# Altium PCB Bottom Board_PCB.PcbDoc (part 2 of 3)
Units mm, origin at the board's own origin, x right, y up, seen from the top; angles counter-clockwise.
Board outline 139 x 80 mm, 4 copper layers (Top Layer, GND, VCC, Bottom Layer), stack 1.623 mm thick; 134 components, 163 nets, 746 pads, 269 vias.
Unrouted connection lines stored in the file: 127.
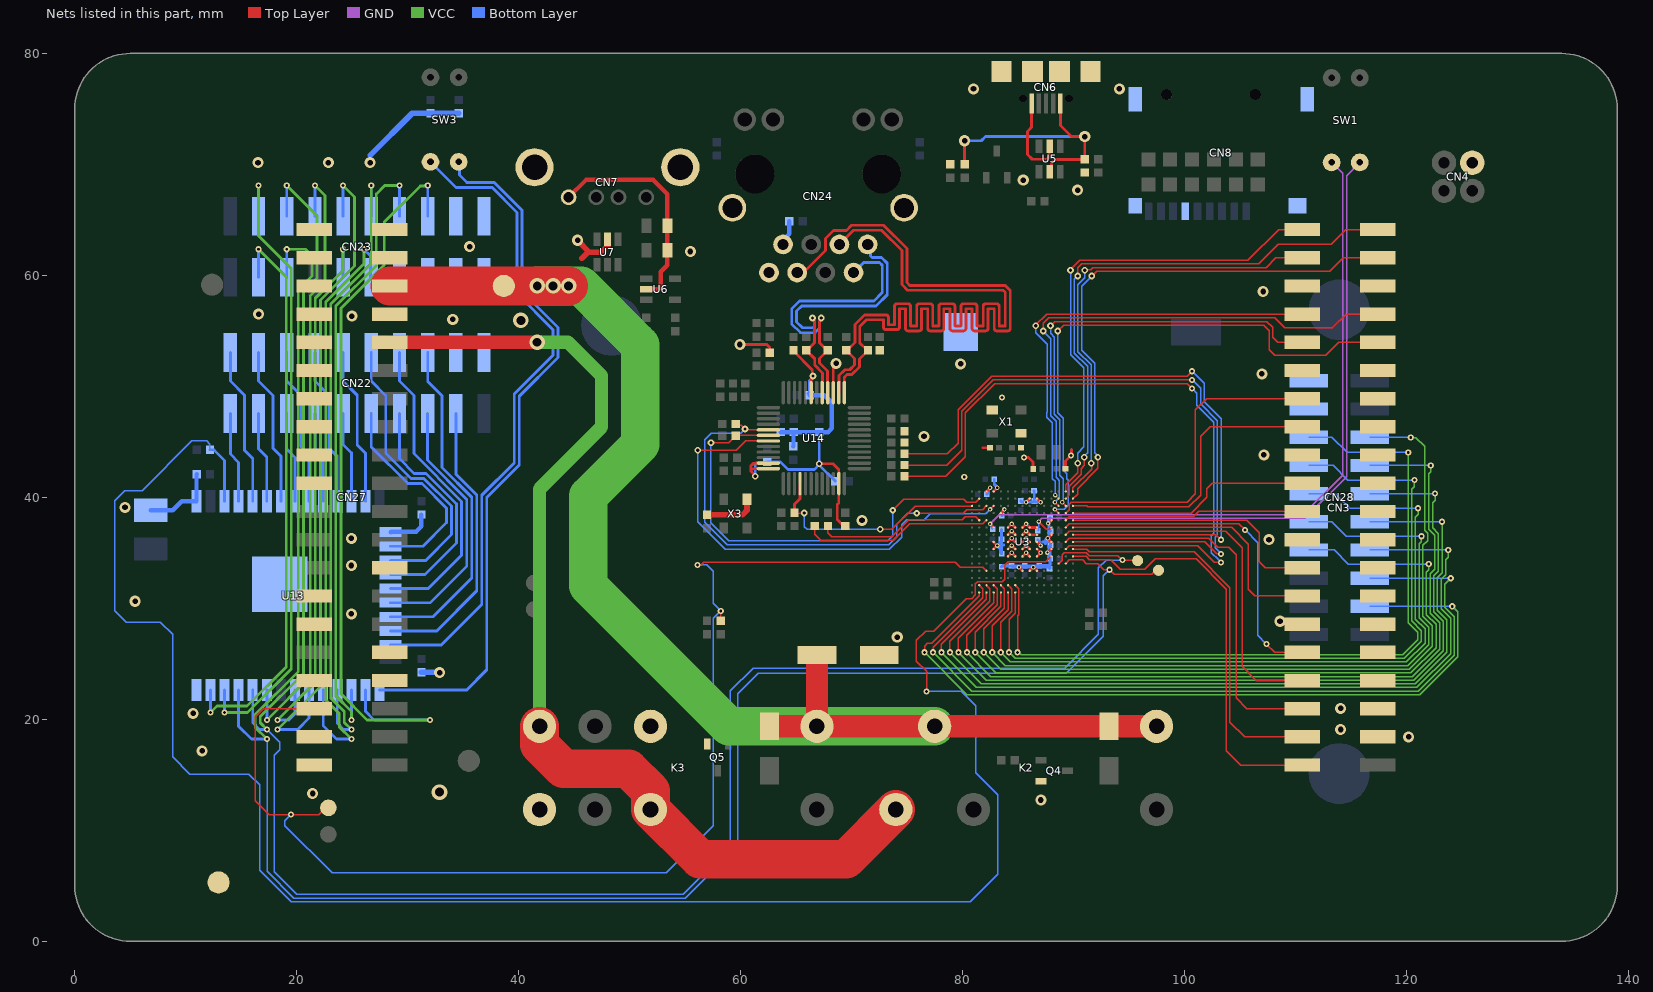
[diagram p4: the nets of this part, all layers, seen from the top]

## Via types
v1: diameter 0.559, hole 0.254, Top Layer to Bottom Layer, tented both sides, 104 vias
v2: diameter 0.6, hole 0.3, Top Layer to Bottom Layer, tented both sides, 55 vias
v3: diameter 1, hole 0.5, Top Layer to Bottom Layer, tented both sides, 50 vias
v4: diameter 0.406, hole 0.203, Top Layer to Bottom Layer, tented both sides, 48 vias
v5: diameter 1.4, hole 0.8, Top Layer to Bottom Layer, tented both sides, 12 vias

## Nets (pads, with @x,y where several pads share a name; then routed paths per layer and width w, separated by ;. In a path a pad name is that pad's centre, name@x,y a point inside that pad or via, vN(x,y) a via of type N, cw(c..) or ccw(c..) an arc to the next point about the centre after c; other vN are vias at no path point) (continued)
+5V0_USBFS: CN6.1 R21.2 R23.2 U5.5 | length 23.7
  Top Layer w0.254: R21.2@80.188,70.002 v3(80.188,72.136) ; U5.5@87.847,69.339 88.02,69.512 88.02,70.113 88.341,70.434 90.992,70.434 R23.2@91.018,70.46 v3(91.018,72.507) 89.823,72.507 88.822,73.509 CN6.1@88.822,75.484
  Bottom Layer w0.254: v3(80.188,72.136) 81.686,72.136 82.058,72.507 v3(91.018,72.507)
+12V0: C73.1 CN27.37 CN27.38 CN27.39 CN27.40 D4.2 D5.2 K2.1 K2.4 K3.1 TP9.1 | length 127.7
  Top Layer w2: D5.2@62.967,19.368 K3.1@66.881,19.368 ; 66.89,24.892 66.89,19.376 K3.1@66.881,19.368 ; K2.1@97.49,19.368 D4.2@93.193,19.368 K2.4@77.49,19.368 K3.1@66.881,19.368
  Top Layer w3.5: CN27.38@28.4,59.05 v5(43.104,59.05) v5(44.506,59.05)
  VCC w3.5: v5(41.681,59.055) 43.104,59.055 45.618,59.055 50.952,53.721 50.952,44.78 46.279,40.107 46.279,32.029 58.94,19.368 K3.1@66.881,19.368 K2.4@77.49,19.368
+12V_CMD_BOT: CN27.36 K2.3 K3.4 K3.7 | length 95.1
  Top Layer w1.2: CN27.36@28.4,53.97 v5(41.656,53.97)
  Top Layer w3.5: K3.4@41.881,19.368 41.881,17.707 44.044,15.545 49.886,15.545 51.881,13.549 K3.7@51.881,11.868 56.358,7.391 69.514,7.391 K2.3@73.99,11.868
  VCC w1.2: v5(41.656,53.97) 44.45,53.97 47.466,50.954 47.466,46.336 41.881,40.752 K3.4@41.881,19.368
ALERT0_TMP275_BOT: CN28.40 U3.B2 | length 50.7
  Top Layer w0.127: U3.B2@89.306,39.881 89.635,40.21 89.635,41.014 90.7,42.079 90.7,42.593 90.983,42.875 v2(90.983,43.612) ; v2(90.373,59.944) 90.373,60.681 90.722,61.03 106.674,61.03 108.458,62.814 113.208,62.814 114.524,64.13 CN28.40@117.4,64.13
  Bottom Layer w0.127: v2(90.373,59.944) 90.373,59.939 90.068,59.634 90.068,52.994 91.265,51.797 91.265,44.022 90.983,43.74 v2(90.983,43.612)
ALERT1_TMP275_BOT: CN28.39 U3.A2 | length 48.4
  Top Layer w0.127: U3.A2@89.956,39.881 90.373,40.298 90.373,40.792 92.202,42.621 v2(92.202,43.612) ; v2(91.643,59.944) 92.075,60.376 113.081,60.376 114.295,61.59 CN28.39@117.4,61.59
  Bottom Layer w0.127: v2(91.643,59.944) 91.643,59.919 90.726,59.001 90.726,53.261 91.919,52.067 91.919,44.022 92.202,43.74 v2(92.202,43.612)
ALERT2_TMP275_BOT: CN28.2 U3.A1 | length 41.1
  Top Layer w0.127: U3.A1@89.956,40.531 89.956,40.849 91.633,42.526 v2@91.633,43.042 ; v2@91.262,60.503 91.542,60.503 91.742,60.703 107.363,60.703 108.25,61.59 CN28.2@110.6,61.59
  Bottom Layer w0.127: v2(91.018,60.452) 91.018,59.776 90.399,59.157 90.399,53.126 91.592,51.932 v2(91.592,43.083)
ALERT3_TMP275_BOT: CN28.1 U3.B1 | length 43.5
  Top Layer w0.127: U3.B1@89.306,40.531 89.306,41.147 90.373,42.215 v2(90.373,43.083) ; v2@89.689,60.501 90.545,61.357 105.705,61.357 108.478,64.13 CN28.1@110.6,64.13
  Bottom Layer w0.127: v2(89.738,60.452) 89.738,52.857 90.938,51.657 90.938,44.558 90.373,43.993 v2(90.373,43.083)
ALERT4_TMP275_BOT: CN28.5 U3.B3 | length 41
  Top Layer w0.127: v2(87.935,55.448) 88.319,55.832 107.439,55.832 107.95,55.321 107.95,54.407 108.387,53.97 CN28.5@110.6,53.97 ; v4(88.981,39.556) U3.B3@89.306,39.231
  Bottom Layer w0.127: v2(87.935,55.448) 87.935,54.766 88.268,54.432 88.268,47.48 88.756,46.992 88.756,41.986 89.061,41.682 89.061,41.575 89.081,41.554 89.081,41.326 ; v4(88.981,39.556) 89.078,39.653 89.078,41.326
ALERT5_TMP275_BOT: CN28.4 U3.C2 | length 40.9
  Top Layer w0.127: v2@86.576,55.486 87.6,56.51 CN28.4@110.6,56.51 ; v4(88.346,40.203) U3.C2@88.671,39.878
  Bottom Layer w0.127: v2(86.614,55.448) 86.614,54.813 87.614,53.813 87.614,47.676 87.605,47.666 87.605,47.219 88.097,46.727 88.097,41.679 88.348,41.427 88.348,40.205 v4(88.346,40.203)
ALERT6_TMP275_BOT: CN28.36 U3.C4 | length 49.5
  Top Layer w0.127: v4(88.331,38.906) U3.C4@88.656,38.581 ; v2(88.595,54.991) 89.11,55.505 107.134,55.505 107.62,55.02 107.62,53.315 108.128,52.807 112.751,52.807 113.914,53.97 CN28.36@117.4,53.97
  Bottom Layer w0.127: v4(88.331,38.906) 89.172,38.906 89.535,39.268 89.535,41.529 89.408,41.656 89.408,42.141 89.083,42.466 89.083,47.127 88.595,47.615 v2(88.595,54.991)
ALERT7_TMP275_BOT: CN28.37 U3.C3 | length 48.6
  Top Layer w0.127: v2(87.274,54.991) 87.274,55.702 87.755,56.183 108.13,56.183 109.042,55.27 113.335,55.27 114.574,56.51 CN28.37@117.4,56.51 ; v4(88.331,39.556) U3.C3@88.656,39.231
  Bottom Layer w0.127: v2(87.274,54.991) 87.274,54.964 87.941,54.297 87.941,47.344 88.429,46.856 88.429,41.808 88.675,41.563 88.675,41.537 88.734,41.478 88.734,39.959 v4(88.331,39.556)
BOOT0: R10.1 SW1.4 U3.D6 | length 60.6
  Top Layer w0.127: v4(86.868,37.821) 86.868,37.795 87.554,37.109 87.833,37.109 88.004,37.281 U3.D6@88.006,37.281
  GND w0.127: v4(86.868,37.821) 87.157,38.109 110.855,38.109 114.605,41.859 114.605,68.986 SW1.4@115.799,70.18
  Bottom Layer w0.127: R10.1@86.777,36.981 86.868,37.071 v4(86.868,37.821)
BOOT1: R7.1 SW1.3 U3.M6 | length 63.5
  Top Layer w0.127: v4(82.481,37.606) U3.M6@82.806,37.281
  GND w0.127: v4(82.481,37.606) 83.311,38.436 110.679,38.436 114.249,42.006 114.249,69.19 SW1.3@113.259,70.18
  Bottom Layer w0.127: v4(82.481,37.606) R7.1@82.891,37.196 ; R7.1@82.523,37.298 R7.1@82.713,37.108
BTN-1_BOT: CN28.20 U3.A10 | length 37.8
  Top Layer w0.127: U3.A10@89.956,34.681 91.138,34.681 91.427,34.392 93.345,34.392 94.234,33.503 96.418,33.503 97.358,34.442 101.061,34.442 103.769,31.735 103.769,17.161 105.059,15.87 CN28.20@110.6,15.87
BTN-2_BOT: CN28.19 U3.A9 | length 34.8
  Top Layer w0.127: U3.A9@89.956,35.331 91.187,35.331 91.44,35.077 100.889,35.077 104.096,31.871 104.096,19.729 105.415,18.41 CN28.19@110.6,18.41
BTN-3_BOT: CN28.18 U3.B8 | length 35.3
  Top Layer w0.127: U3.B8@89.306,35.981 89.631,36.306 102.2,36.306 103.022,35.484 103.988,35.484 104.648,34.823 104.648,21.92 105.618,20.95 CN28.18@110.6,20.95
BTN-4_BOT: CN28.17 U3.B7 | length 33.3
  Top Layer w0.127: U3.B7@89.306,36.631 89.632,36.957 103.708,36.957 105.207,35.458 105.207,24.765 106.482,23.49 CN28.17@110.6,23.49
BTN-5_BOT: CN28.16 U3.B6 | length 31.1
  Top Layer w0.127: U3.B6@89.306,37.281 89.631,37.606 104.914,37.606 v1(105.461,37.059) ; v1(107.391,26.772) 108.133,26.03 CN28.16@110.6,26.03
  Bottom Layer w0.127: v1(105.461,37.059) 106.604,35.916 106.604,27.559 v1(107.391,26.772)
DISP_A0_BOT: CN28.8 U3.A3 | length 26.8
  Top Layer w0.127: U3.A3@89.956,39.231 91.193,39.231 91.282,39.141 100.406,39.141 101.473,40.208 101.473,45.491 102.332,46.35 CN28.8@110.6,46.35
DISP_CS_BOT: CN28.11 U3.B5 | length 21.6
  Top Layer w0.127: U3.B5@89.306,37.931 89.627,38.252 100.813,38.252 101.29,38.73 CN28.11@110.6,38.73
DISP_LEDA_BOT: CN28.7 U3.B4 | length 30.3
  Top Layer w0.127: U3.B4@89.306,38.581 89.626,38.901 89.626,39.395 89.787,39.556 100.236,39.556 100.99,40.31 100.99,47.879 102.001,48.89 CN28.7@110.6,48.89
DISP_RST_BOT: CN28.10 U3.A4 | length 22.2
  Top Layer w0.127: U3.A4@89.956,38.581 89.96,38.585 100.612,38.585 102.032,40.005 102.032,40.787 102.514,41.27 CN28.10@110.6,41.27
DISP_SCLK_BOT: CN28.14 U3.A6 | length 25.6
  Top Layer w0.127: U3.A6@89.956,37.281 104.273,37.281 105.769,35.785 105.769,31.696 106.355,31.11 CN28.14@110.6,31.11
DISP_SID_BOT: CN28.13 U3.A5 | length 23.9
  Top Layer w0.127: U3.A5@89.956,37.931 105.605,37.931 106.731,36.805 106.731,34.188 107.269,33.65 CN28.13@110.6,33.65
ESP32_CLK: CN22.13 U13.20 | length 23.4
  Bottom Layer w0.254: U13.20@28.465,30.506 32.041,30.506 35.316,33.78 35.316,39.825 31.775,43.365 CN22.13@31.775,47.542
ESP32_CMD: CN22.7 U13.19 | length 28.2
  Bottom Layer w0.254: U13.19@28.465,31.776 31.852,31.776 34.862,34.785 34.862,39.637 30.556,43.942 30.556,49.174 29.261,50.47 CN22.7@29.261,53.042
ESP32_EN: R58.2 U3.D10 U13.3 | length 171.8
  Top Layer w0.127: v1(76.759,22.504) 76.759,24.333 75.844,25.248 75.844,27.102 76.683,27.94 77.419,27.94 80.34,30.861 80.823,30.861 81.166,31.205 81.166,32.221 81.356,32.41 83.596,32.41 83.795,32.609 83.795,33.872 84.111,34.188 87.513,34.188 U3.D10@88.006,34.681
  Bottom Layer w0.127: R58.2@12.182,44.279 12.182,44.79 11.887,45.085 10.559,45.085 6.074,40.6 4.5,40.6 3.6,39.7 3.6,29.776 4.623,28.753 7.722,28.753 8.814,27.661 8.814,16.612 10.363,15.062 15.697,15.062 16.662,14.097 16.662,6.401 19.507,3.556 80.696,3.556 83.16,6.02 83.16,13.183 81.178,15.164 81.178,21.209 79.883,22.504 v1(76.759,22.504)
  Bottom Layer w0.254: R58.2@12.182,44.279 12.541,44.279 13.495,43.324 U13.3@13.495,39.646
ESP32_GPIO0: SW3.4 U13.25 | length 64
  Bottom Layer w0.254: U13.25@27.465,22.646 35.32,22.646 37.132,24.457 37.132,39.995 40.054,42.917 40.054,49.112 43.558,52.616 43.558,55.294 40.31,58.542 40.31,65.869 37.802,68.377 35.331,68.377 34.658,69.05 34.658,70.168 SW3.4@34.595,70.231
ESP32_GPIO4: CN23.8 U13.26 | length 69.2
  VCC w0.254: v1(31.801,68.097) 31.75,68.047 31.14,68.047 27.889,64.795 27.889,60.95 23.978,57.039 23.978,22.55 23.978,22.301 26.34,19.939 v1(32.004,19.939)
  Bottom Layer w0.254: U13.26@26.195,22.646 26.195,20.718 26.975,19.939 v1(32.004,19.939) ; CN23.8@31.801,65.329 v1(31.801,68.097)
ESP32_GPIO5: CN23.15 U13.29 | length 55.6
  VCC w0.254: v1(24.925,18.212) 23.834,19.303 23.834,20.519 22.616,21.737 22.616,57.603 26.06,61.047 v1(26.06,62.357)
  Bottom Layer w0.254: U13.29@22.385,22.646 22.385,19.423 23.597,18.212 v1(24.925,18.212) ; v1(26.06,62.357) 26.645,61.773 26.645,59.905 CN23.15@26.721,59.829
ESP32_GPIO13: CN22.15 U13.16 | length 19.3
  Bottom Layer w0.254: CN22.15@26.721,47.542 26.721,44.526 30.014,41.233 31.284,41.233 33.5,39.017 33.5,37.716 31.369,35.586 U13.16@28.465,35.586
ESP32_GPIO14: CN22.5 U13.13 | length 14.2
  Bottom Layer w0.254: CN22.5@24.181,53.042 24.181,50.47 25.451,49.2 25.451,44.718 26.195,43.973 U13.13@26.195,39.646
ESP32_GPIO15: SW3.3 U13.23 | length 58.7
  Bottom Layer w0.254: U13.23@28.465,26.696 33.02,26.696 36.678,30.353 36.678,40.183 39.6,43.105 39.6,49.3 43.104,52.804 43.104,55.106 39.856,58.354 39.856,65.681 37.617,67.92 34.366,67.92 SW3.3@32.055,70.231
ESP32_GPIO16: CN23.7 U13.27 | length 57.4
  VCC w0.254: v1(24.925,19.939) 24.925,20.711 23.524,22.113 23.524,22.738 23.524,57.227 27.175,60.878 27.175,67.335 27.937,68.097 v1(29.261,68.097)
  Bottom Layer w0.254: v1(24.925,19.939) U13.27@24.925,22.646 ; CN23.7@29.261,65.329 v1(29.261,68.097)
ESP32_GPIO17: CN23.6 U13.28 | length 58.6
  VCC w0.254: v1(24.925,19.075) 24.288,19.713 24.288,20.707 23.07,21.925 23.07,22.926 23.07,57.415 26.721,61.066 v1(26.721,68.097)
  Bottom Layer w0.254: U13.28@23.655,22.646 23.655,19.652 24.232,19.075 v1(24.925,19.075) ; CN23.6@26.721,65.329 v1(26.721,68.097)
ESP32_GPIO18: CN23.5 U13.30 | length 60.9
  VCC w0.254: v1(18.263,19.075) 22.149,22.962 22.149,57.778 25.222,60.851 25.222,67.056 v1(24.181,68.097)
  Bottom Layer w0.254: v1(18.263,19.075) 20.091,19.075 21.115,20.099 U13.30@21.115,22.646 ; CN23.5@24.181,65.329 v1(24.181,68.097)
ESP32_GPIO19: CN23.16 U13.31 | length 51.4
  VCC w0.254: v1(18.263,19.939) 21.666,23.343 21.666,57.937 24.181,60.452 v1(24.181,62.357)
  Bottom Layer w0.254: v1(18.263,19.939) 19.304,19.939 19.845,20.48 U13.31@19.845,22.646 ; CN23.16@24.181,59.829 v1(24.181,62.357)
ESP32_GPIO21: CN23.4 U13.33 | length 56.2
  VCC w0.254: v1(17.323,19.939) 21.212,23.828 21.212,58.144 22.555,59.487 22.555,67.183 v1(21.641,68.097)
  Bottom Layer w0.254: U13.33@17.305,22.646 17.323,22.628 v1(17.323,19.939) ; CN23.4@21.641,65.329 v1(21.641,68.097)
ESP32_GPIO22: CN23.2 U13.36 | length 57.2
  VCC w0.254: v1(13.495,20.599) 15.57,20.599 19.507,24.536 19.507,60.63 16.561,63.576 v1(16.561,68.097)
  Bottom Layer w0.254: v1(13.495,20.599) 13.495,22.63 13.487,22.638 U13.36@13.495,22.646 ; CN23.2@16.561,65.329 v1(16.561,68.097)
ESP32_GPIO23: CN23.19 U13.37 | length 51.8
  VCC w0.254: v1(12.225,20.599) 12.832,21.206 15.535,21.206 19.053,24.724 19.053,59.865 v1(16.561,62.357)
  Bottom Layer w0.254: v1(12.225,20.599) U13.37@12.225,22.646 ; CN23.19@16.561,59.829 v1(16.561,62.357)
ESP32_GPIO25: CN22.17 U13.10 | length 8.2
  Bottom Layer w0.254: CN22.17@21.641,47.542 21.641,44.425 22.385,43.68 U13.10@22.385,39.646
ESP32_GPIO26: CN22.4 U13.11 | length 14.2
  Bottom Layer w0.254: CN22.4@21.641,53.042 21.641,50.47 22.911,49.2 22.911,44.45 23.655,43.705 U13.11@23.655,39.646
ESP32_GPIO27: CN22.16 U13.12 | length 8.2
  Bottom Layer w0.254: CN22.16@24.181,47.542 24.181,44.755 24.925,44.01 U13.12@24.925,39.646
ESP32_GPIO32: CN22.18 U13.8 | length 8.2
  Bottom Layer w0.254: CN22.18@19.101,47.542 19.101,44.339 19.845,43.594 U13.8@19.845,39.646
ESP32_GPIO33: CN22.3 U13.9 | length 14.2
  Bottom Layer w0.254: CN22.3@19.101,53.042 19.101,50.47 20.371,49.2 20.371,44.577 21.115,43.832 U13.9@21.115,39.646
ESP32_GPIO34: CN22.19 U13.6 | length 8.2
  Bottom Layer w0.254: CN22.19@16.561,47.542 16.561,44.374 17.305,43.629 U13.6@17.305,39.646
ESP32_GPIO35: CN22.2 U13.7 | length 14.2
  Bottom Layer w0.254: CN22.2@16.561,53.042 16.561,50.47 17.856,49.174 17.856,44.425 18.575,43.705 U13.7@18.575,39.646
ESP32_RXD0: CN23.3 TP5.1 U3.C11 U13.34 | length 182.9
  Top Layer w0.127: U3.C11@88.656,34.031 88.976,34.351 88.976,34.823 89.159,35.006 91.162,35.006 91.421,34.747 94.005,34.747 v1(94.412,34.341) 94.437,34.315 95.758,34.315 TP5.1@95.783,34.29
  VCC w0.254: v1(17.323,19.075) 16.716,19.682 16.716,20.247 20.599,24.13 20.599,58.522 21.819,59.741 21.819,65.38 v1(19.101,68.097)
  Bottom Layer w0.127: v1(17.323,19.075) 18.466,17.932 18.466,17.272 17.958,16.764 17.958,6.248 19.996,4.21 54.832,4.21 59.08,8.458 59.08,22.555 61.14,24.615 89.207,24.615 92.253,27.661 92.253,33.653 92.94,34.341 v1(94.412,34.341)
  Bottom Layer w0.254: U13.34@16.035,22.646 16.035,19.702 16.662,19.075 v1(17.323,19.075) ; CN23.3@19.101,65.329 v1(19.101,68.097)
ESP32_SD0: CN22.8 U13.21 | length 30.7
  Bottom Layer w0.254: U13.21@28.465,29.236 32.284,29.236 35.77,32.722 35.77,40.013 33.096,42.686 33.096,49.16 31.801,50.455 CN22.8@31.801,53.042
ESP32_SD1: CN22.12 U13.22 | length 26
  Bottom Layer w0.254: U13.22@28.465,27.966 32.614,27.966 36.224,31.575 36.224,40.201 34.341,42.084 CN22.12@34.341,47.542
ESP32_SD2: CN22.6 U13.17 | length 26.5
  Bottom Layer w0.254: CN22.6@26.721,53.042 26.721,50.48 28.016,49.185 28.016,43.993 30.302,41.707 31.452,41.707 33.954,39.205 33.954,36.646 31.623,34.316 U13.17@28.465,34.316
ESP32_SD3: CN22.14 U13.18 | length 21.5
  Bottom Layer w0.254: U13.18@28.465,33.046 31.572,33.046 34.408,35.881 34.408,39.413 31.66,42.161 30.585,42.161 29.261,43.485 CN22.14@29.261,47.542
ESP32_SENSVN: CN22.1 U13.5 | length 14.2
  Bottom Layer w0.254: CN22.1@14.021,53.042 14.021,50.47 15.291,49.2 15.291,44.247 16.035,43.502 U13.5@16.035,39.646
ESP32_SENSVP: CN22.20 U13.4 | length 8.2
  Bottom Layer w0.254: CN22.20@14.021,47.542 14.021,43.891 14.765,43.147 U13.4@14.765,39.646
ESP32_TXD0: CN23.18 TP6.1 U3.B11 U13.35 | length 178.9
  Top Layer w0.127: U3.B11@89.306,34.031 89.631,34.356 90.815,34.356 91.135,34.036 92.177,34.036 92.735,33.477 v1(93.243,33.477) 93.665,33.056 97.057,33.056 97.428,33.426 TP6.1@97.663,33.426
  VCC w0.254: v1(17.323,18.212) 16.262,19.272 16.262,20.435 20.145,24.318 20.145,58.728 21.365,59.947 21.365,61.77 20.777,62.357 v1(19.101,62.357)
  Bottom Layer w0.127: v1(17.323,18.212) 17.323,6.299 19.739,3.883 55.013,3.883 59.741,8.611 59.741,22.3 61.571,24.13 89.343,24.13 92.685,27.471 92.685,32.918 v1(93.243,33.477)
  Bottom Layer w0.254: U13.35@14.765,22.646 14.765,19.372 15.926,18.212 v1(17.323,18.212) ; CN23.18@19.101,59.829 v1(19.101,62.357)
ETH_CRS_DV: R73.2 U3.R3 U14.40 | length 21
  Top Layer w0.127: R73.2@64.852,38.617 64.888,38.581 v2(65.735,38.581) ; v2(72.593,37.109) 73.635,37.109 75.742,39.217 80.842,39.217 U3.R3@80.856,39.231
  Top Layer w0.254: R73.2@64.852,38.617 64.846,38.623 64.846,39.378 65.346,39.877 65.346,41.224 U14.40@65.354,41.233
  Bottom Layer w0.127: v2(65.735,38.581) 65.735,37.363 65.989,37.109 v2(72.593,37.109)
ETH_MDC: U3.M3 U14.31 | length 43.1
  Top Layer w0.127: v2(56.134,44.247) 59.614,44.247 60.45,45.083 U14.31@62.504,45.083 ; v4(82.481,38.906) U3.M3@82.806,39.231
  Bottom Layer w0.127: v2(56.134,44.247) 56.134,37.817 58.62,35.331 73.152,35.331 73.416,35.331 74.503,36.418 74.503,37.541 74.961,37.998 76.556,37.998 77.076,38.519 82.094,38.519 v4(82.481,38.906)
ETH_MDIO: R64.1 U3.P2 U14.30 | length 40.7
  Top Layer w0.127: v2(57.328,44.933) 57.363,44.897 58.92,44.897 R64.1@59.559,45.536 ; R64.1@59.597,45.574 U14.30@62.496,45.574 ; v1(73.711,38.837) 74.698,39.824 80.098,39.824 80.366,39.556 81.181,39.556 U3.P2@81.506,39.881
  Top Layer w0.254: R64.1@59.559,45.536 R64.1@59.597,45.574 ; U14.30@62.496,45.574 U14.30@62.504,45.583
  Bottom Layer w0.127: v2(57.328,44.933) 57.328,37.719 58.941,36.106 73.266,36.106 73.711,36.551 v1(73.711,38.837)
ETH_RD_N: CN24.6 R63.1 U14.13 | length 70.1
  Top Layer w0.254: CN24.6@65.1,60.251 65.661,60.251 67.64,62.23 67.64,63.322 68.377,64.059 69.549,64.059 70.004,64.514 72.884,64.514 74.983,62.415 74.983,59.358 75.243,59.097 83.853,59.097 84.303,58.647 84.303,55.222 cw(c84.081,55.222) 84.081,55 83.082,55 cw(c83.082,55.222) 82.86,55.222 82.86,57 82.306,57 82.306,55.222 cw(c82.084,55.222) 82.084,55 81.085,55 cw(c81.085,55.222) 80.863,55.222 80.863,57 80.309,57 80.309,55.222 cw(c80.087,55.222) 80.087,55 79.088,55 cw(c79.088,55.222) 78.866,55.222 78.866,57 78.312,57 78.312,55.222 cw(c78.09,55.222) 78.09,55 77.091,55 cw(c77.091,55.222) 76.869,55.222 76.869,57 76.315,57 76.315,55.222 cw(c76.093,55.222) 76.093,55 75.094,55 cw(c75.094,55.222) 74.872,55.222 74.872,57 74.318,57 74.318,55.337 cw(c74.096,55.337) 74.096,55.115 73.097,55.115 cw(c73.097,55.337) 72.875,55.337 72.875,56 71.342,56 70.742,55.4 70.742,53.921 R63.1@71.298,53.365 ; U14.13@69.354,49.433 69.346,49.441 69.346,50.81 69.59,51.054 70.021,51.054 70.71,51.742 70.71,52.476 R63.1@71.476,53.242
ETH_RD_P: CN24.3 R62.1 U14.14 | length 63.7
  Top Layer w0.254: U14.14@68.854,49.433 68.863,49.441 68.863,50.516 68.882,50.535 68.882,50.975 69.406,51.498 69.837,51.498 70.265,51.926 70.265,52.502 R62.1@69.525,53.242 ; CN24.3@68.91,62.791 70.189,64.069 72.7,64.069 74.538,62.231 74.538,59.174 75.059,58.653 83.668,58.653 83.858,58.463 83.858,55.444 83.304,55.444 83.304,57.222 ccw(c83.082,57.222) 83.082,57.445 82.084,57.445 ccw(c82.084,57.222) 81.861,57.222 81.861,55.444 81.307,55.444 81.307,57.222 ccw(c81.085,57.222) 81.085,57.445 80.087,57.445 ccw(c80.087,57.222) 79.864,57.222 79.864,55.444 79.31,55.444 79.31,57.222 ccw(c79.088,57.222) 79.088,57.445 78.09,57.445 ccw(c78.09,57.222) 77.867,57.222 77.867,55.444 77.313,55.444 77.313,57.222 ccw(c77.091,57.222) 77.091,57.445 76.093,57.445 ccw(c76.093,57.222) 75.87,57.222 75.87,55.444 75.316,55.444 75.316,57.222 ccw(c75.094,57.222) 75.094,57.445 74.096,57.445 ccw(c74.096,57.222) 73.873,57.222 73.873,55.56 73.319,55.56 73.319,56.222 ccw(c73.097,56.222) 73.097,56.444 71.158,56.444 70.298,55.584 70.298,53.966 R62.1@69.698,53.365
ETH_RESET: R78.2 U3.N3 U14.29 | length 43
  Top Layer w0.127: R78.2@59.559,46.603 59.688,46.473 60.068,46.473 60.389,46.152 v2(60.401,46.152) 60.401,46.14 60.436,46.105 62.483,46.105 U14.29@62.504,46.083 ; v1(75.87,38.557) 80.061,38.557 80.393,38.89 81.815,38.89 U3.N3@82.156,39.231
  Bottom Layer w0.127: v2(60.401,46.152) 60.02,45.771 57.369,45.771 56.764,45.166 56.764,37.734 58.78,35.718 73.341,35.718 74.092,36.469 74.092,37.592 75.057,38.557 v1(75.87,38.557)
ETH_RXD0: R70.1 U3.N5 | length 17.2
  Top Layer w0.127: R70.1@66.681,37.417 66.681,36.652 67.214,36.119 73.755,36.119 75.242,37.606 81.831,37.606 U3.N5@82.156,37.931
ETH_RXD1: R71.1 U3.P5 | length 15.3
  Top Layer w0.127: R71.1@67.874,37.417 67.874,36.805 68.23,36.449 73.622,36.449 75.146,37.973 79.985,37.973 80.264,38.252 81.184,38.252 U3.P5@81.506,37.931
ETH_TD_N: CN24.2 R61.1 U14.16 | length 27.1
  Top Layer w0.254: v2(67.276,56.159) 67.276,56.066 67.103,55.893 67.103,53.928 R61.1@67.64,53.391 ; R61.1@67.843,53.242 67.122,52.52 67.122,52.096 67.827,51.391 67.827,50.535 67.846,50.516 67.846,49.441 U14.16@67.854,49.433
  Bottom Layer w0.254: v2(67.276,56.159) 67.276,56.066 67.103,55.893 67.103,55.248 66.694,54.839 65.386,54.839 64.605,55.62 64.605,56.979 65.322,57.696 72.022,57.696 72.771,58.445 72.771,60.916 72.518,61.169 71.098,61.169 CN24.2@70.18,60.251
ETH_TD_P: CN24.1 R60.1 U14.17 | length 25.7
  Top Layer w0.254: R60.1@65.919,53.242 66.678,52.482 66.678,51.912 67.382,51.207 67.382,50.535 67.363,50.516 67.363,49.441 U14.17@67.354,49.433 ; R60.1@66.142,53.416 66.659,53.933 66.659,55.893 66.486,56.066 v2(66.486,56.159)
  Bottom Layer w0.254: v2(66.486,56.159) 66.486,56.066 66.659,55.893 66.659,55.432 66.51,55.283 65.57,55.283 65.049,55.804 65.049,56.794 65.507,57.252 72.206,57.252 73.215,58.261 73.215,61.1 72.702,61.614 71.858,61.614 71.709,61.762 71.709,62.532 CN24.1@71.45,62.791
ETH_TX_EN: R65.1 U3.B9 | length 63.6
  Top Layer w0.127: R65.1@74.774,41.889 78.486,41.889 80.264,43.667 80.264,47.625 82.89,50.251 100.244,50.251 v1(100.686,49.809) ; U3.B9@89.306,35.331 89.629,35.654 101.176,35.654 102.692,34.138 v1(103.302,34.138)
  Bottom Layer w0.127: v1(100.686,49.809) 101.121,49.374 101.121,48.277 102.648,46.75 102.648,36.746 102.432,36.53 102.432,35.002 103.077,34.357 103.083,34.357 v1(103.302,34.138)
ETH_TXD0: R66.1 U3.A8 | length 61.9
  Top Layer w0.127: R66.1@74.774,42.905 78.592,42.905 79.937,44.25 79.937,47.76 82.754,50.578 v1(100.686,50.578) ; U3.A8@89.956,35.981 101.84,35.981 102.921,34.9 v1(103.302,34.9)
  Bottom Layer w0.127: v1(100.686,50.578) 101.448,49.816 101.448,48.412 102.975,46.885 102.975,36.61 102.759,36.394 102.759,35.442 v1(103.302,34.9)
ETH_TXD1: R67.1 U3.A7 | length 60.6
  Top Layer w0.127: R67.1@74.774,43.921 78.643,43.921 79.61,44.888 79.61,47.896 82.619,50.905 100.231,50.905 v1(100.686,51.359) ; U3.A7@89.956,36.631 102.841,36.631 v1(103.302,36.17)
  Bottom Layer w0.127: v1(100.686,51.359) 101.778,50.267 101.778,48.59 103.302,47.066 v1(103.302,36.17)
GND: C9.1 C10.1 C11.1 C12.1 C13.1 C14.1 C15.1 C16.1 C17.1 C18.1 C19.1 C20.1 C21.1 C24.1 C25.1 C26.1 C27.1 C28.2 C29.1 C30.1 C31.2 C42.1 C43.1 C59.2 C60.2 C61.1 C62.1 C63.1 C64.2 C65.2 C66.2 C67.2 C68.2 C69.1 C70.1 C71.1 C72.1 C73.2 CN2.2 CN3.9 CN3.10 CN4.3 CN6.5 CN6.Shell CN7.4 CN7.S1 CN7.S2 CN8.6 CN8.10 CN8.11 CN8.12 CN8.13 CN22.9 CN22.10 CN23.9 CN23.10 CN23.11 CN23.12 CN23.13 CN23.14 CN24.7 CN24.8 CN24.13 CN24.14 CN27.1 CN27.2 CN27.3 CN27.4 CN27.5 CN27.6 CN27.7 CN27.8 CN27.9 CN27.10 CN27.14 CN27.15 CN27.17 CN27.19 CN27.20 CN27.24 CN27.25 CN27.28 CN28.3 CN28.6 CN28.9 CN28.12 CN28.15 CN28.22 CN28.23 CN28.24 CN28.25 CN28.26 CN28.27 CN28.28 CN28.29 CN28.30 CN28.31 CN28.32 CN28.33 CN28.34 CN28.35 CN28.38 K3.2 K3.5 Q4.2 Q5.2 R7.2 R10.2 R22.1 R24.1 R54.1 R55.1 R56.2 R57.2 R68.1 R69.1 R82.1 TP10.1 U3.D5 U3.D7 U3.D8 U3.D9 U3.F2 U3.F6 U3.F7 U3.F8 U3.F9 U3.F10 U3.F12 U3.G2 U3.G6 U3.G7 U3.G8 U3.G9 U3.G10 U3.G12 U3.H6 U3.H7 U3.H8 U3.H9 U3.H10 U3.H12 U3.J6 U3.J7 U3.J8 U3.J9 U3.J10 U3.K6 U3.K7 U3.K8 U3.K9 U3.K10 U3.L4 U3.M1 U3.M8 U3.M9 U3.N1 U5.2 U6.2 U7.2 U13.1 U13.15 U13.38 U13.39 U14.15 U14.19 U14.35 U14.36 U14.47 X1.2 X1.4 X3.2 | length 159.3
  Top Layer w0.254: v3(59.944,53.772) 62.357,53.772 62.632,53.496 R82.1@62.632,53.029 ; v2(61.316,41.889) 61.316,41.986 60.909,42.393 ; U14.36@62.504,42.583 62.496,42.574 61.09,42.574 60.909,42.393 ; U14.35@62.504,43.083 62.496,43.074 61.184,43.074 60.909,42.799 60.909,42.393 ; C61.1@64.776,53.242 64.776,53.172 66.459,51.489 66.459,50.993 v2(66.525,50.927) 66.525,50.833 66.363,50.672 66.363,49.441 U14.19@66.354,49.433 ; v2(67.081,43.028) 68.326,43.028 68.846,42.508 68.846,41.241 U14.47@68.854,41.233 68.854,39.5 68.707,39.352 68.707,37.998 C67.2@69.19,37.516 ; U14.15@68.354,49.433 68.354,51.617 68.605,51.868 v3(68.605,52.07) ; 81.827,44.463 C31.2@82.471,44.463 ; U3.N1@82.156,40.531 v4(82.481,40.856) ; U3.M9@82.806,35.331 v4(83.131,35.656) U3.M8@82.806,35.981 ; U3.M1@82.806,40.531 v4(83.131,40.856) ; U3.L4@83.456,38.581 v4(83.781,38.906) ; U3.K10@84.106,34.681 v4(84.431,35.006) U3.J10@84.756,34.681 ; U3.K9@84.106,35.331 v4(84.431,35.656) U3.J9@84.756,35.331 ; U3.K8@84.106,35.981 v4(84.431,36.306) U3.J8@84.756,35.981 ; U3.K7@84.106,36.631 v4(84.431,36.956) U3.J7@84.756,36.631 ; U3.K6@84.106,37.281 v4(84.431,37.606) U3.J6@84.756,37.281 ; v4(85.081,33.706) U3.H12@85.406,33.381 ; U3.H10@85.406,34.681 v4(85.731,35.006) U3.G10@86.056,34.681 ; U3.H9@85.406,35.331 v4(85.731,35.656) U3.G9@86.056,35.331 ; U3.H8@85.406,35.981 v4(85.731,36.306) U3.G8@86.056,35.981 ; U3.H7@85.406,36.631 v4(85.731,36.956) U3.G7@86.056,36.631 U3.F7@86.706,36.631 ; U3.H6@85.406,37.281 v4(85.731,37.606) U3.G6@86.056,37.281 U3.F6@86.706,37.281 ; v1(85.547,43.586) 85.954,43.586 86.347,43.193 86.347,42.577 C30.1@86.365,42.558 ; v4(85.731,39.556) U3.G2@86.056,39.881 ; U3.G12@86.056,33.381 v4(86.381,33.706) U3.F12@86.706,33.381 ; CN6.5@86.222,75.484 86.222,73.344 85.852,72.974 85.852,70.891 86.284,70.46 87.622,70.46 87.82,70.658 87.82,71.613 U5.2@87.847,71.639 ; U3.F10@86.706,34.681 v4(87.031,35.006) U3.F9@86.706,35.331 ; U3.F8@86.706,35.981 v4(87.031,35.656) ; U3.F2@86.706,39.881 v4(87.031,39.556) ; v4(87.655,35.027) 87.697,35.027 88.001,35.331 U3.D9@88.006,35.331 ; v4(87.706,37.643) 87.718,37.643 U3.D5@88.006,37.931 ; U3.D8@88.006,35.981 v4(87.681,36.306) U3.D7@88.006,36.631 ; C29.1@89.286,42.584 89.286,43.287 v1(89.764,43.764) 89.822,43.823 89.822,44.314
  Top Layer w0.4: CN7.4@44.5,67.035 46.07,68.605 52.121,68.605 53.4,67.326 C43.1@53.4,64.465 C42.1@53.4,62.255 53.4,60.918 52.807,60.325 52.807,58.985 52.572,58.75 U6.2@51.5,58.75
  Top Layer w0.5: v3(45.314,63.164) 46.4,62.078 ; 45.695,61.544 46.228,62.078 46.4,62.078 ; U7.2@47.956,63.203 U7.2@48.006,63.253 ; U7.2@48.057,62.713 47.422,62.078 46.4,62.078 ; C64.2@56.972,38.421 60.164,38.421 60.58,38.837 X3.2@60.58,39.824
  Bottom Layer w0.254: v2(61.316,41.889) 61.316,43.027 61.392,43.104 62.322,43.104 C66.2@62.408,43.19 63.592,43.19 64.262,42.52 66.65,42.52 v2@67.081,42.951 ; C65.2@66.065,49.368 C65.2@66.218,49.216 ; C65.2@66.234,49.2 C65.2@66.218,49.216 ; v2(66.525,50.927) 66.525,50.833 66.218,50.526 C65.2@66.218,49.216 ; C69.1@67.081,45.882 v2(67.081,43.028) v2@67.081,42.951 ; C68.2@68.539,41.453 67.081,42.91 v2@67.081,42.951 ; C24.1@82.194,40.284 82.321,40.411 82.321,40.655 82.481,40.815 v4(82.481,40.856) ; C9.1@82.855,41.629 82.855,41.173 83.131,40.897 v4(83.131,40.856) ; v4@83.131,35.678 v4(83.131,35.656) ; C27.1@83.52,33.744 C27.1@83.559,33.783 ; C17.1@83.52,34.913 C17.1@83.518,34.915 ; R7.2@83.526,37.108 83.521,37.102 83.521,36.226 C18.1@83.515,36.22 ; C19.1@83.546,38.342 83.541,38.347 83.541,38.633 83.781,38.874 v4(83.781,38.906) ; 83.718,35.712 83.691,35.685 83.518,35.685 ; 84.049,33.915 84.005,33.871 83.647,33.871 C27.1@83.559,33.783 ; C20.1@85.248,39.663 85.325,39.585 85.702,39.585 v4(85.731,39.556) 85.76,39.585 86.415,39.585 C21.1@86.492,39.663 ; C15.1@85.609,33.831 C15.1@85.614,33.826 ; C25.1@86.447,40.587 86.47,40.565 86.47,39.685 C21.1@86.492,39.663 ; R10.2@86.777,36.168 86.904,36.041 86.904,35.823 87.031,35.697 v4(87.031,35.656) ; v4(87.031,39.556) 87.002,39.585 86.57,39.585 C21.1@86.492,39.663 ; 87.198,35.966 87.3,35.966 87.64,36.306 v4(87.681,36.306) ; 87.477,35.823 87.696,36.043 87.909,36.043 ; C10.1@87.889,38.164 87.762,38.037 87.762,37.74 87.706,37.684 v4(87.706,37.643) 87.706,37.602 87.797,37.51 87.797,37.083 C11.1@87.924,36.956 87.797,36.829 87.797,36.464 87.681,36.347 v4(87.681,36.306) ; v4(83.131,35.656) v4@83.16,35.685 ; v4(83.131,35.656) 83.131,35.615 83.262,35.483 ; v4@83.16,35.685 83.518,35.685 ; v4@83.16,35.685 83.515,36.04 C18.1@83.515,36.22 ; 83.262,35.483 83.393,35.352 83.393,35.04 C17.1@83.518,34.915 ; 83.262,35.483 83.316,35.483 83.518,35.685 ; C18.1@83.515,36.22 83.518,36.218 83.518,35.685 ; C17.1@83.518,34.915 83.518,35.685 ; C27.1@83.559,33.783 C16.1@84.448,33.783 ; C16.1@84.448,33.783 84.495,33.735 85.052,33.735 v4(85.081,33.706) 85.11,33.735 C15.1@85.705,33.735 ; C16.1@84.448,33.783 C16.1@84.409,33.821 84.415,33.826 C15.1@85.614,33.826 ; C15.1@85.614,33.826 C15.1@85.705,33.735 ; C15.1@85.705,33.735 85.705,33.8 85.736,33.831 C14.1@86.93,33.831 ; C15.1@85.705,33.735 86.352,33.735 v4(86.381,33.706) 86.41,33.735 86.834,33.735 C14.1@86.93,33.831 ; C14.1@86.93,33.831 86.971,33.872 87.877,33.872 ; C14.1@86.93,33.831 87.057,33.704 87.717,33.704 C26.1@87.844,33.577 C26.1@87.877,33.61 ; v4(87.681,36.306) 87.681,36.271 87.909,36.043 ; C26.1@87.877,33.61 87.884,33.617 C13.1@87.884,34.443 ; C26.1@87.877,33.61 87.877,33.872 ; 87.877,33.872 87.877,34.435 C13.1@87.884,34.443 ; C13.1@87.884,34.443 C13.1@87.909,34.468 C13.1@87.884,34.493 ; C13.1@87.884,34.443 C13.1@87.884,34.493 ; C13.1@87.884,34.493 C12.1@87.884,35.635 ; C13.1@87.884,34.493 87.782,34.595 87.782,34.858 87.655,34.985 v4(87.655,35.027) 87.655,35.068 87.797,35.21 87.797,35.548 C12.1@87.884,35.635 ; C12.1@87.884,35.635 87.884,35.665 C12.1@87.909,35.69 ; C12.1@87.884,35.635 C12.1@87.924,35.675 C12.1@87.909,35.69 ; C12.1@87.909,35.69 87.909,36.043
  Bottom Layer w0.4: C59.2@6.858,38.839 8.839,38.839 9.646,39.646 U13.1@10.955,39.646 10.969,39.659 10.969,42.054 C60.2@10.982,42.068 ; U13.15@28.465,36.856 28.516,36.906 30.759,36.906 31.242,37.389 R57.2@31.242,38.446 ; C71.1@63.607,45.882 C72.1@64.795,45.882 ; CN24.7@63.83,62.791 63.83,63.164 64.399,63.732 C63.1@64.399,64.872 ; C70.1@64.745,44.593 64.77,44.618 64.77,45.857 C72.1@64.795,45.882 ; C65.2@66.234,49.2 67.539,49.2 68.224,48.514 68.224,46.212 67.894,45.882 C69.1@67.081,45.882 C72.1@64.795,45.882
  Bottom Layer w0.5: 26.619,70.815 30.413,74.609 R55.1@32.055,74.609 R54.1@34.595,74.609 ; R56.2@31.242,24.226 31.252,24.216 32.876,24.216 v3(32.885,24.206)
  other v1: 80.162,41.834 83.566,48.997
  other v3: 87.065,12.725 21.438,13.31 11.481,17.145 120.193,18.41 114.071,19.075 10.671,20.523 114.071,20.98 74.117,27.407 108.61,28.829 24.925,29.489 5.436,30.632 24.925,33.858 107.62,36.19 24.925,36.297 70.942,37.922 4.526,39.091 107.163,43.823 76.53,45.491 106.985,51.13 79.832,52.019 34.061,56.032 24.968,56.337 16.561,56.51 107.086,58.547 55.474,62.154 35.585,62.586 90.371,67.691 85.471,68.58 16.51,70.155 22.86,70.155 26.619,70.155 80.99,76.81 94.132,76.81
  other v5: 32.868,13.437 40.206,55.951
GPIO_PD8: CN3.19 U3.P15 | length 70.9
  Top Layer w0.127: v1(76.581,26.03) 76.581,26.594 76.832,26.845 77.238,26.845 81.506,31.112 U3.P15@81.506,31.431
  VCC w0.127: v1(76.581,26.03) 76.581,26.024 80.388,22.217 121.223,22.217 124.634,25.629 124.634,29.671 v1(124.13,30.175)
  Bottom Layer w0.127: CN3.19@116.694,30.175 v1(124.13,30.175)
GPIO_PD9: CN3.18 U3.P14 | length 72.6
  Top Layer w0.127: v1(77.343,26.03) 77.343,26.467 81.831,30.955 81.831,31.756 U3.P14@81.506,32.081
  VCC w0.127: v1(77.343,26.03) 77.343,26.024 80.823,22.544 121.087,22.544 124.307,25.764 124.307,29.227 123.452,30.082 123.452,32.165 v1(124.003,32.715)
  Bottom Layer w0.127: CN3.18@116.694,32.715 v1(124.003,32.715)
GPIO_PD10: CN3.17 U3.N15 | length 72.6
  Top Layer w0.127: v1(78.105,26.03) 78.105,26.746 82.156,30.797 U3.N15@82.156,31.431
  VCC w0.127: v1(78.105,26.03) 78.105,26.024 81.258,22.871 120.952,22.871 123.98,25.9 123.98,29.091 123.125,29.947 123.125,32.601 123.542,33.018 123.542,34.363 123.774,34.595 v1(123.774,35.255)
  Bottom Layer w0.127: CN3.17@116.694,35.255 v1(123.774,35.255)
GPIO_PD11: CN3.16 U3.N14 | length 73.6
  Top Layer w0.127: v1(78.867,26.03) 78.867,27.026 82.471,30.63 82.471,31.765 U3.N14@82.156,32.081
  VCC w0.127: v1(78.867,26.03) 78.867,26.024 81.693,23.198 120.816,23.198 123.653,26.035 123.653,28.956 122.798,29.811 122.798,32.765 123.215,33.182 v1(123.215,37.795)
  Bottom Layer w0.127: CN3.16@116.694,37.795 v1(123.215,37.795)
GPIO_PD13: CN3.15 U3.M15 | length 73.4
  Top Layer w0.127: v1(79.629,26.03) 79.629,27.305 82.806,30.482 U3.M15@82.806,31.431
  VCC w0.127: v1(79.629,26.03) 79.629,26.024 82.128,23.525 83.896,23.525 120.681,23.525 123.326,26.171 123.326,28.82 122.471,29.676 122.471,32.928 122.888,33.345 122.888,36.71 122.354,37.245 122.354,39.524 122.58,39.751 v1(122.58,40.335)
  Bottom Layer w0.127: CN3.15@116.694,40.335 v1(122.58,40.335)
GPIO_PD14: CN3.14 U3.M14 | length 74.7
  Top Layer w0.127: v1@80.391,26.06 80.391,27.584 83.131,30.324 83.131,31.756 U3.M14@82.806,32.081
  VCC w0.127: v1(80.391,26.03) 80.391,26.024 82.563,23.852 120.545,23.852 122.999,26.306 122.999,28.685 122.144,29.54 122.144,33.092 122.561,33.509 122.561,36.575 122.027,37.109 122.027,42.118 122.199,42.291 v1(122.199,42.875)
  Bottom Layer w0.127: CN3.14@116.694,42.875 v1(122.199,42.875)
GPIO_PD15: CN3.13 U3.L14 | length 72.8
  Top Layer w0.127: v1@81.915,26.06 81.915,28.143 83.781,30.009 83.781,31.756 U3.L14@83.456,32.081
  VCC w0.127: v1(81.915,26.03) 81.915,26.024 83.433,24.506 120.275,24.506 122.345,26.577 122.345,28.414 121.472,29.287 121.472,35.666 121.904,36.098 121.904,36.77 121.641,37.033 121.641,44.602 120.853,45.39 v1(120.396,45.39)
  Bottom Layer w0.127: CN3.13@116.694,45.415 120.371,45.415 v1(120.396,45.39)
GPIO_PG2: CN3.4 U3.L15 | length 68.9
  Top Layer w0.127: v1@81.128,26.06 81.128,27.838 83.456,30.167 U3.L15@83.456,31.431
  VCC w0.127: v1(81.153,26.03) 81.153,26.024 82.998,24.179 120.41,24.179 122.672,26.441 122.672,28.55 121.799,29.423 121.799,33.258 122.018,33.477 v1(122.018,33.985)
  Bottom Layer w0.127: CN3.4@111.194,35.255 113.487,35.255 114.757,33.985 v1(122.018,33.985)
GPIO_PG3: CN3.5 U3.K15 | length 67.5
  Top Layer w0.127: v1@82.677,26.06 82.677,28.423 84.106,29.851 U3.K15@84.106,31.431
  VCC w0.127: v1(82.677,26.03) 82.677,26.024 83.868,24.833 120.139,24.833 122.018,26.712 122.018,28.279 121.145,29.152 121.145,35.801 121.361,36.017 v1(121.361,36.5)
  Bottom Layer w0.127: CN3.5@111.194,37.795 113.284,37.795 114.579,36.5 v1(121.361,36.5)
GPIO_PG4: CN3.6 U3.K14 | length 68.9
  Top Layer w0.127: v1@83.439,26.06 83.439,28.721 84.431,29.713 84.431,31.756 U3.K14@84.106,32.081
  VCC w0.127: v1(83.439,26.03) 83.439,26.024 84.303,25.16 120.004,25.16 121.691,26.848 121.691,28.143 120.818,29.016 120.818,38.218 121.056,38.456 v1(121.056,39.014)
  Bottom Layer w0.127: CN3.6@111.194,40.335 113.589,40.335 114.91,39.014 v1(121.056,39.014)
GPIO_PG6: CN3.7 U3.J15 | length 68.7
  Top Layer w0.127: v1(84.201,26.03) 84.201,29.019 84.756,29.574 U3.J15@84.756,31.431
  VCC w0.127: v1(84.201,26.03) 84.201,26.024 84.738,25.487 119.823,25.487 121.361,27.026 121.361,27.991 120.491,28.861 120.491,40.71 120.726,40.945 v1(120.726,41.554)
  Bottom Layer w0.127: CN3.7@111.194,42.875 113.411,42.875 114.732,41.554 v1(120.726,41.554)
GPIO_PG7: CN3.8 U3.J14 | length 69.7
  Top Layer w0.127: U3.J14@84.756,32.081 85.081,31.756 85.081,29.429 84.963,29.312 v1(84.963,26.03)
  VCC w0.127: v1(84.963,26.03) 85.08,26.03 85.296,25.814 119.667,25.814 121.031,27.178 121.031,27.838 120.164,28.705 v1@120.164,44.044
  Bottom Layer w0.127: CN3.8@111.194,45.415 113.284,45.415 114.656,44.044 v1(120.167,44.044)
I2C3_SCL: CN27.18 R8.2 TP3.1 U3.N12 | length 116.4
  Top Layer w0.127: CN27.18@21.6,20.95 16.988,20.95 16.256,20.218 16.256,12.675 17.526,11.405 v1(19.482,11.405) 21.974,11.405 22.584,12.014 TP3.1@22.86,12.014 ; v1(56.109,33.909) 56.464,33.909 56.693,34.138 79.35,34.138 79.781,33.706 81.831,33.706 U3.N12@82.156,33.381 ; R8.2@58.217,28.87 v1(58.217,29.769)
  Bottom Layer w0.127: v1(19.482,11.405) 19.476,11.405 18.939,10.867 18.939,10.418 23.21,6.147 53.315,6.147 57.556,10.389 57.556,29.108 v1(58.217,29.769) 57.531,30.455 57.531,33.331 56.953,33.909 v1(56.109,33.909)